# KiCad board kb.kicad_pcb (continued)
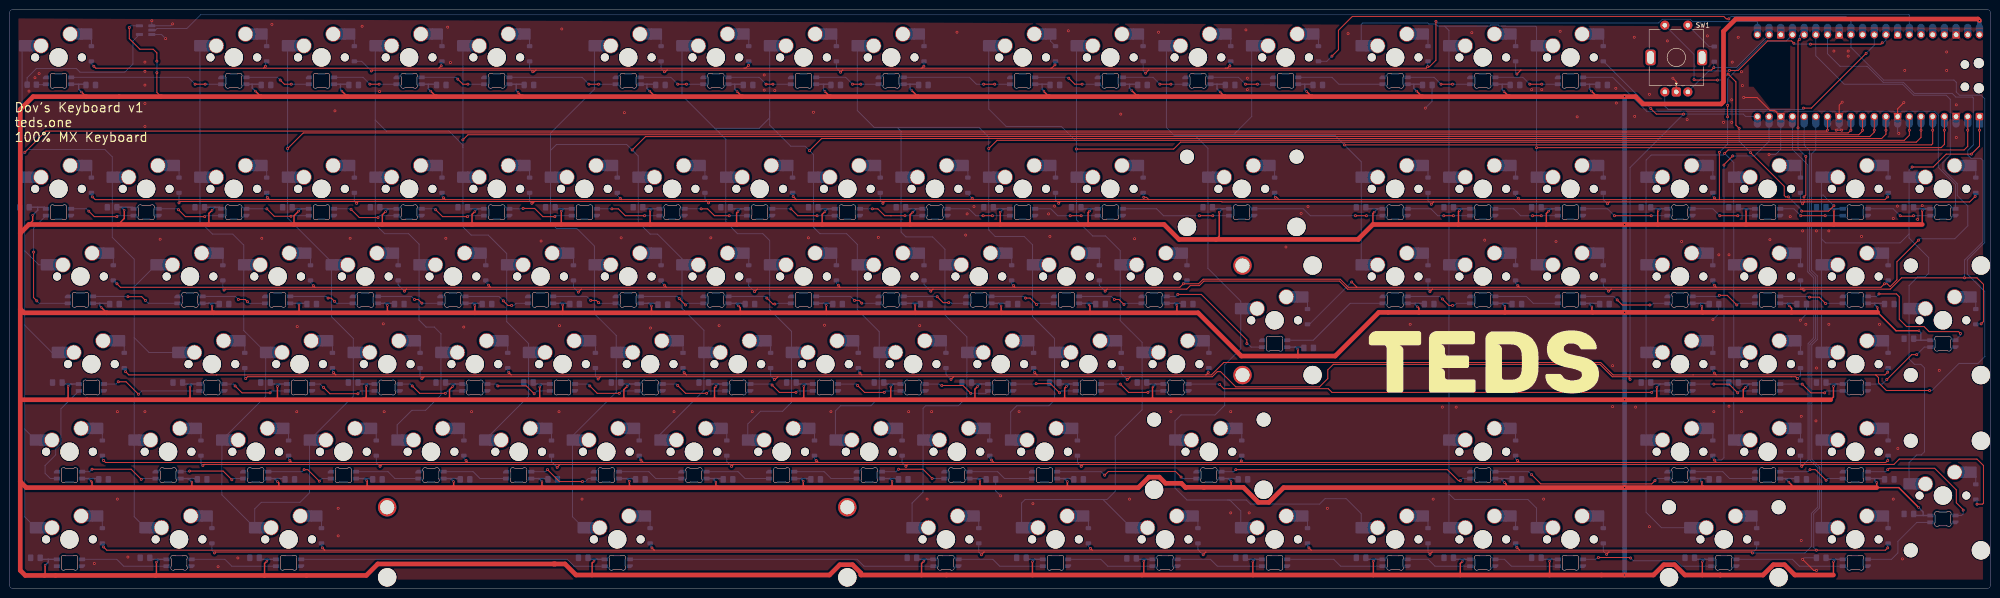
[diagram p0: board, top side]
## Routing (per net, layer and track width the routed paths; a pad name or vN(x,y) marks a point on that pad's centre or on a via; arc(x,y) is an arc through that point) (continued)
GND: length 73.1
  Top w0.2: v1(398.4,105.8) 397.75,105.15 A1.13 ; v1(411.8,105.7) 410.45,104.35 A1.8 ; v1(392.8,4) 392.2,4 v1(389.8,6.4) ; v1(397.1,99.71) v1(398.3,99.71) ; v1(361.6,111) 362.35,110.25 SW1.C ; v1(377,106.8) 379.9,106.8 382.7,104 383.71,104 A1.18
  Bottom w0.2: v1(215.5,20.2) 214.42,21.28 C85.1 ; v1(34,119.6) 33.1,120.5 U1.3 ; C14.1 309.27,105.97 v1(307.8,104.5) ; v1(397.1,99.71) 397.75,100.36 A1.13 397.75,100.25 v1(398.3,99.71) ; C55.1 371.58,59.78 v1(370.3,58.5) ; C105.1 390.14,6.74 v1(389.8,6.4) ; C56.1 390.63,59.73 v1(389.3,58.4) ; A1.18 385.05,95.55 383.9,94.4 v1(382.5,94.4) ; v1(410.7,99) 410.45,99.25 A1.8 ; v1(31,123.5) U1.1 35.1,122.4 v1(35.5,122.8)
  vias: v1(4.3,108.2) v1(5.6,111.1) v1(6.5,112) v1(18.5,5.5) v1(23.5,38.5) v1(23.5,19.5) v1(25.8,6.9) v1(29.5,114.5) v1(29.5,112.5) v1(29.5,109.5) v1(29.5,105.5) v1(29.5,100.5) v1(29.5,38.5) v1(32.8,76) v1(45.4,4.8) v1(49.7,6.7) v1(54.9,76.2) v1(57.1,122.7) v1(62.5,38.5) v1(62.6,57) v1(70.8,103.9) v1(71.5,17.5) v1(71.5,11.5) v1(74.1,76.2) v1(76.7,122.3) v1(80.5,108.1) v1(81.3,57.6) v1(81.5,38.5) v1(94.9,76.2) v1(95.3,122.1) v1(95.9,114.4) v1(98.8,56.9) v1(100.5,38.5) v1(115.6,75.6) v1(119.5,38.5) v1(119.6,57.2) v1(120.1,121.7) v1(124.5,19.5) v1(133,76.3) v1(133.7,103.5) v1(139.4,56.7) v1(144.5,38.5) v1(152.5,76.3) v1(154.3,57.2) v1(161.5,38.5) v1(164.1,111.7) v1(164.1,108.4) v1(166.4,108.3) v1(173.7,76.3) v1(174.8,103.6) v1(177.2,57.3) v1(178.6,38.5) v1(188.9,76.4) v1(195.5,38.5) v1(197.9,57.2) v1(199.5,19.5) v1(200.5,38.5) v1(206,121) v1(207.9,76.9) v1(208.2,81.5) v1(209.7,83.1) v1(219.5,38.5) v1(222.5,18.5) v1(225.9,81.5) v1(226.2,76.6) v1(227.2,83.2) v1(230.2,121.3) v1(241.6,103.2) v1(243.5,19.5) v1(244.6,76.1) v1(249.8,121) v1(252.5,38.5) v1(265.5,38.5) v1(265.5,16.5) v1(268.8,121.5) v1(269.1,111) v1(269.1,108.5) v1(269.5,16.5) v1(277.5,74.3) v1(280.8,81.6) v1(282.3,83.1) v1(286.5,17.5) v1(291,120.7) v1(304.5,57.5) v1(309.5,19.5) v1(311.5,39.5) v1(314.5,39.5) v1(317.9,120.9) v1(320.7,75.8) v1(330.9,108.5) v1(333.1,108.5) v1(333.5,19.5) v1(336.2,75.5) v1(337.1,121.2) v1(340.8,102.6) v1(348.5,48.5) v1(348.5,39.6) v1(349.2,108.8) v1(349.3,105.6) v1(353.2,119.9) v1(353.3,102.7) v1(353.5,39.5) v1(356.5,107.5) v1(356.5,13.5) v1(360.4,119.1) v1(363.5,75.5) v1(364.7,102) v1(369.1,120.2) v1(370.5,38.5) v1(371.6,72.6) v1(372.6,101.4) v1(373.8,72.6) v1(373.8,39.7) v1(374.4,106.3) v1(374.4,101.4) v1(374.5,114.5) v1(375.8,119.9) v1(376.5,112.4) v1(376.5,38.5) v1(376.7,109.4) v1(382.7,75.9) v1(387.1,80.9) v1(389.5,37.5) v1(389.5,10.5) v1(389.8,77.8) v1(390.5,57.5) v1(392.7,36.5) v1(392.8,77.8) v1(392.8,48) v1(395.5,77.8) v1(395.5,57.5) v1(396.6,116.9) v1(399.7,116.9) v1(399.7,115.8) v1(402.6,76.6) v1(406.5,57.5) v1(409.5,80.5) v1(409.5,19.5) v1(410.4,83.2) v1(410.5,30.5) v1(411.5,6.5) v1(412,112.7) v1(414.8,80.3) v1(415.8,83.3) v1(419.5,47.5) v1(421.1,116.7) v1(421.1,112.7) v1(423.2,105.2) v1(423.2,98.1)
COL0: length 647.9
  Top w0.2: A1.14 395.21,99.72 v1(395.2,99.71) 395,99.51 8.01,99.51 v1(3.4,94.9)
  Bottom w0.2: 27.17,64.8 27.17,65.67 MX39.1 ; 27.17,64.8 27.17,71.63 22.41,76.39 MX18.1 22.41,93.89 20.8,95.5 4,95.5 v1(3.4,94.9) 2.8,94.3 2.8,93.3 ; 27.17,64.8 27.17,54.6 ; MX59.1 9.28,51.38 3.36,57.3 ; 3.36,73.5 6.43,70.43 MX38.1 ; 3.36,73.5 MX17.1 2.8,90.04 2.8,93.3 ; 3.36,73.5 3.36,57.3 ; 27.17,54.6 MX76.1 27.17,15.67 MX94.1 ; 27.17,54.6 30.39,51.38 MX60.1 ; A1.14 395.21,99.72 v1(395.2,99.71) ; 2.8,93.3 2.8,117.5 MX1.1 ; 3.36,34.72 3.36,15.67 MX93.1 ; 3.36,34.72 MX75.1 ; 3.36,34.72 3.36,57.3
COL1: length 595.7
  Top w0.2: A1.12 v1(400.29,99.69) 399.71,99.11 63.91,99.11 v1(60.51,95.7)
  Bottom w0.2: MX95.1 57.78,13.28 ; MX95.1 46.22,20.43 MX77.1 55.75,41.86 MX61.1 50.98,56.15 MX40.1 50.98,74.72 48.6,77.1 44.2,77.1 41.46,79.84 MX19.1 MX2.1 ; MX95.1 53.37,17.37 54.8,18.8 63.2,18.8 65.27,20.87 MX78.1 74.8,41.86 MX62.1 74.8,54.4 70.03,59.17 MX41.1 70.03,71.07 60.51,80.59 MX20.1 v1(60.51,95.7) MX3.1 ; v1(400.29,99.69) A1.12
COL2: length 531.4
  Top w0.2: A1.11 v1(402.83,99.7) 402.83,99.54 402,98.7 99.71,98.7 v1(98.61,97.6)
  Bottom w0.2: MX4.1 79.56,101.9 ; 79.56,101.9 MX21.1 79.56,79.24 81.6,77.2 86.8,77.2 89.08,74.92 MX42.1 89.08,58.42 90.6,56.9 92.4,56.9 93.85,55.45 MX63.1 93.85,42.15 90.5,38.8 87.5,38.8 84.32,35.62 MX79.1 ; 79.56,101.9 81.96,99.5 95.6,99.5 98.61,96.49 98.61,95.9 ; v1(402.83,99.7) A1.11 ; MX80.1 112.9,41.86 MX64.1 112.9,53.3 108.13,58.07 MX43.1 108.13,72.87 104.1,76.9 100.4,76.9 98.61,78.69 MX22.1 98.61,95.9 ; 98.61,95.9 v1(98.61,97.6) MX5.1
COL3: length 492.4
  Top w0.2: A1.10 v1(405.37,99.7) 405.37,99.27 404.4,98.3 138.3,98.3 v1(135.4,95.4)
  Bottom w0.2: 117.66,95.3 118.96,96.6 134.2,96.6 v1(135.4,95.4) 136.71,94.09 MX24.1 136.71,79.71 139.32,77.1 140.9,77.1 146.23,71.77 MX45.1 146.23,60.97 151,56.2 MX66.1 151,43.1 141.47,33.57 MX82.1 ; 117.66,95.3 117.66,99.06 127.18,108.58 MX6.1 ; 117.66,95.3 MX23.1 117.66,79.64 119,78.3 123.4,78.3 127.18,74.52 MX44.1 127.18,59.82 131.95,55.05 MX65.1 131.95,42.75 122.42,33.22 MX81.1 122.42,15.67 MX96.1 ; v1(405.37,99.7) A1.10
COL4: length 469.9
  Top w0.2: v1(173.95,95.25) 176.6,97.9 407,97.9 407.91,98.81 v1(407.91,99.7) A1.9
  Bottom w0.2: 165.28,103.8 165.28,102.38 163,100.1 153.4,100.1 ; 165.28,103.8 MX8.1 ; 165.28,103.8 165.28,100.82 169.9,96.2 173,96.2 v1(173.95,95.25) 174.81,94.39 MX26.1 174.81,78.59 176.2,77.2 182,77.2 184.33,74.87 MX47.1 184.33,60.67 189.1,55.9 MX68.1 189.1,41.6 187.3,39.8 180.7,39.8 179.57,38.67 MX84.1 ; 153.4,100.1 146.23,107.27 MX7.1 ; 153.4,100.1 155.76,97.74 MX25.1 155.76,79.74 158.3,77.2 163.8,77.2 165.28,75.72 MX46.1 165.28,60.72 170.05,55.95 MX67.1 170.05,40.55 168.1,38.6 163.3,38.6 160.52,35.82 MX83.1 ; v1(407.91,99.7) A1.9
COL5: length 441.9
  Top w0.2: v1(212.91,95.7) 214.71,97.5 411.9,97.5 412.99,98.59 v1(412.99,99.7) A1.7
  Bottom w0.2: 193,100.3 188,100.3 184.33,103.97 MX9.1 ; 193,100.3 210.8,100.3 212.91,98.19 v1(212.91,95.7) MX28.1 212.91,77.99 214.3,76.6 220.6,76.6 222.43,74.77 MX49.1 222.43,59.17 227.2,54.4 MX70.1 227.2,41 226,39.8 219,39.8 217.67,38.47 MX86.1 ; 193,100.3 193.86,99.44 MX27.1 193.86,77.54 194.9,76.5 200.7,76.5 203.38,73.82 MX48.1 203.38,59.52 208.15,54.75 MX69.1 208.15,41.65 206.3,39.8 199.2,39.8 198.62,39.22 MX85.1 198.62,21.02 196.24,18.64 MX97.1 ; v1(412.99,99.7) A1.7
COL6: length 369.6
  Top w0.2: v1(231.96,95.6) 253.1,95.6 254.6,97.1 414.5,97.1 415.53,98.13 v1(415.53,99.7) A1.6
  Bottom w0.2: 237.5,19.4 238.6,19.4 240.4,21.2 240.4,33.1 246.25,38.95 MX71.1 246.25,53.55 241.48,58.32 MX50.1 241.48,73.52 238.3,76.7 235.5,76.7 231.96,80.24 MX29.1 v1(231.96,95.6) 231.96,97.24 ; 237.5,19.4 220.8,19.4 220.05,18.65 MX98.1 ; 237.5,19.4 237.75,19.4 MX99.1 ; 231.96,97.24 MX11.1 ; 231.96,97.24 228.7,100.5 216.7,100.5 212.91,104.29 MX10.1 ; v1(415.53,99.7) A1.6
COL7: length 389.3
  Top w0.2: A1.5 v1(418.07,99.7) 418.07,96.77 417.8,96.5 v1(290.2,96.5)
  Bottom w0.2: MX13.1 270.06,102.66 265.9,98.5 265.7,98.5 ; 257.2,98.5 253.3,98.5 251.52,100.28 251.52,117.55 MX12.1 ; 257.2,98.5 257.8,98.5 260.53,95.77 MX30.1 260.53,69.67 267.68,62.52 MX51.1 267.68,52.18 264.2,48.7 264.2,39.9 262.1,37.8 254.7,37.8 253.39,36.49 MX87.1 253.39,21.91 256,19.3 264.7,19.3 ; 257.2,98.5 265.7,98.5 ; v1(418.07,99.7) A1.5 ; MX52.1 MX31.1 293.87,92.83 v1(290.2,96.5) 288.2,98.5 265.7,98.5 ; MX101.1 293.87,16.33 290.6,19.6 286,19.6 284.8,18.4 269.8,18.4 268.9,19.3 264.7,19.3 ; 264.7,19.3 265.3,19.3 267.68,16.92 MX100.1
COL8: length 326.2
  Top w0.2: A1.4 v1(420.61,99.7) 420.61,96.61 419.9,95.9 v1(331.97,95.9)
  Bottom w0.2: MX14.1 293.87,122.67 294.22,123.02 308.31,123.02 308.58,122.75 310.1,122.75 310.55,122.3 312,122.3 ; 312,122.3 312.92,121.38 MX15.1 MX32.1 MX53.1 MX88.1 312.92,20.5 ; 312,122.3 321.76,122.3 322.01,122.55 323.63,122.55 323.88,122.3 331.8,122.3 331.97,122.13 MX16.1 v1(331.97,95.9) MX33.1 MX54.1 ; 312.92,20.5 MX102.1 ; 312.92,20.5 313.1,20.5 314.2,19.4 330.1,19.4 331.97,17.53 MX103.1 ; v1(420.61,99.7) A1.4
COL9: length 230.4
  Top w0.2: A1.2 v1(425.69,99.7) 425.69,96.19 424.9,95.4 373.6,95.4 v1(372.85,94.65)
  Bottom w0.2: MX90.1 MX73.1 MX56.1 MX35.1 374.83,92.67 v1(372.85,94.65) 372.5,94.3 356.9,94.3 355.78,93.18 MX34.1 MX55.1 MX72.1 MX89.1 355.78,16.62 359.12,13.28 MX104.1 ; v1(425.69,99.7) A1.2
COL10: length 278.6
  Top w0.2: v1(376,100.11) 375.3,100.81 375.3,110.2 v1(373.6,111.9) ; v1(413.6,91.7) 418.2,91.7 421,94.5 v1(426.5,94.5) 428.23,96.23 v1(428.23,99.7) A1.1 ; v1(396.6,83.26) 395.43,82.1 389.6,82.1 v1(389.6,82.1) ; v1(378.5,94.8) 385.8,87.5 385.8,85.5 386.1,85.2 v1(386.7,85.2) ; v1(371.3,110.6) 366.3,110.6 v1(366.2,110.7)
  Bottom w0.2: v1(376,100.11) 376,97.3 v1(378.5,94.8) ; v1(371.3,110.6) 372.3,110.6 v1(373.6,111.9) ; 412.93,77.1 412.93,76.27 417.2,72 417.2,68.6 416.4,67.8 414.8,67.8 412.93,65.93 MX58.1 412.93,49.97 414.1,48.8 415.5,48.8 416.3,48 416.3,29.8 415.6,29.1 414.6,29.1 412.93,27.43 MX92.1 ; 412.93,77.1 412.9,77.1 411,75.2 394.78,75.2 393.88,76.1 ; 412.93,77.1 MX37.1 412.93,91.03 v1(413.6,91.7) ; MX36.1 393.88,85.6 ; 393.88,85.6 394.26,85.6 v1(396.6,83.26) ; 393.88,85.6 393.88,76.1 ; v1(366.2,110.7) 366.2,116.17 SW1.S2 ; A1.1 428.23,96.23 v1(426.5,94.5) ; A1.1 A1.1 ; A1.1 v1(428.23,99.7) ; 393.88,76.1 MX57.1 MX74.1 MX91.1 MX105.1 ; v1(386.7,85.2) 389.6,82.3 v1(389.6,82.1)
EC11A: length 57.8
  Top w0.2: v1(390,104.5) 391.7,104.5 v1(403.6,116.4)
  Bottom w0.2: A1.31 A1.31 405.37,118.17 v1(403.6,116.4) ; SW1.A 359.85,104.95 360.6,104.2 389.7,104.2 v1(390,104.5)
EC11B: length 50.2
  Top w0.2: v1(387.9,118.6) 387.4,119.1 382.2,119.1 375.8,112.7 v1(373.9,112.7) ; v1(407.1,118.7) 406.8,118.4 v1(391.5,118.4)
  Bottom w0.2: SW1.B 369.43,112.6 373.8,112.6 v1(373.9,112.7) ; v1(387.9,118.6) 388.1,118.4 v1(391.5,118.4) ; v1(407.1,118.7) 407.3,118.7 407.91,119.31 A1.32 A1.32
RGB: length 386.9
  Bottom w0.2: U1.2 31.78,121.45 32.13,121.8 38.6,121.8 41.62,124.82 412.88,124.82 412.99,124.71 A1.34
ROW00: length 388.8
  Top w0.2: 226.4,113.17 226.57,113.17 v1(227.3,113.9) ; 226.4,113.17 198.2,113.17 ; 226.4,113.17 264.3,113.17 ; v1(160.7,113.8) 160.07,113.17 159.7,113.17 ; 198.2,113.17 159.7,113.17 ; 198.2,113.17 198.37,113.17 v1(198.8,113.6) ; 55.27,113.17 18.83,113.17 v1(18.4,113.6) ; 55.27,113.17 v1(55.7,113.6) ; 55.27,113.17 93.37,113.17 ; 159.7,113.17 93.37,113.17 ; 93.37,113.17 v1(93.9,113.7) ; 264.3,113.17 307.97,113.17 v1(308.3,113.5) 308.7,113.5 310.1,114.9 v1(310.1,123.36) ; 264.3,113.17 264.77,113.17 v1(265.3,113.7)
  Bottom w0.2: v1(227.3,113.9) 227.3,114.55 D10.1 ; A1.21 379.97,123.23 379.9,123.3 365.91,123.3 365.39,123.82 359.31,123.82 358.55,123.06 358.55,123 310.46,123 v1(310.1,123.36) ; D2.1 55.7,114.4 v1(55.7,113.6) ; D14.1 308.3,114.59 v1(308.3,113.5) ; v1(18.4,113.6) 17.86,114.14 D1.1 ; D4.1 93.9,114.5 v1(93.9,113.7) ; D9.1 198.8,114.63 v1(198.8,113.6) ; v1(265.3,113.7) 265.3,114.45 D12.1 ; D7.1 160.7,114.63 v1(160.7,113.8)
ROW01: length 331.7
  Top w0.2: 181.17,112.77 247.67,112.77 ; 181.17,112.77 143,112.77 ; 181.17,112.77 v1(180.7,112.3) ; 247.67,112.77 328.57,112.77 ; 247.67,112.77 v1(247,112.1) ; 328.57,112.77 369.97,112.77 v1(370.5,113.3) ; 328.57,112.77 v1(327.7,111.9) ; v1(78.7,112.57) 78.9,112.77 114.5,112.77 ; 143,112.77 142.63,112.4 v1(142.4,112.4) ; 143,112.77 114.5,112.77 ; 114.5,112.77 114.13,112.4 v1(113.8,112.4)
  Bottom w0.2: v1(113.8,112.4) 113.11,113.09 D5.1 ; D15.1 327.43,112.18 v1(327.7,111.9) ; A1.22 A1.22 375.37,113.3 v1(370.5,113.3) 370.5,114.5 D106.1 ; D3.1 76.61,114.66 v1(78.7,112.57) ; v1(247,112.1) 246.46,112.64 D11.1 ; v1(142.4,112.4) 141.69,113.11 D6.1 ; D8.1 179.79,113.21 v1(180.7,112.3)
ROW10: length 455.8
  Top w0.2: 371,84.6 371.7,84.6 ; 371,84.6 v1(370.6,85) ; 371,84.6 328.3,84.6 ; 371.7,84.6 407.7,84.6 v1(408.3,85.2) ; 371.7,84.6 v1(371.7,94.9) ; 247.7,84.6 247.2,85.1 v1(246.6,85.1) ; 247.7,84.6 276,84.6 ; 247.7,84.6 209.6,84.6 ; 133.1,84.6 171.1,84.6 ; 133.1,84.6 94.8,84.6 ; 133.1,84.6 v1(132.8,84.9) ; 171.1,84.6 209.6,84.6 ; 171.1,84.6 171.1,84.6 v1(170.4,85.3) ; v1(373.5,105.1) v1(373.5,102.6) ; 56.6,84.6 94.8,84.6 ; 56.6,84.6 18.7,84.6 v1(18.1,85.2) ; 56.6,84.6 v1(56.1,85.1) ; 94.8,84.6 v1(94.4,85) ; 209.6,84.6 v1(209.3,84.9) ; v1(328,84.9) 328.3,84.6 ; 328.3,84.6 276,84.6 ; 276,84.6 275.5,85.1 v1(275.2,85.1)
  Bottom w0.2: v1(328,84.9) 327.43,85.48 D32.1 ; v1(94.4,85) 94.06,85.34 D21.1 ; D36.1 408.3,86 v1(408.3,85.2) ; v1(373.5,105.1) 373.5,110.86 381.74,119.1 386.25,119.1 A1.24 A1.24 ; D19.1 55.96,85.24 v1(56.1,85.1) ; v1(371.7,94.9) 373.5,96.7 v1(373.5,102.6) ; D23.1 132.16,85.54 v1(132.8,84.9) ; D34.1 370.29,85.31 v1(370.6,85) ; D29.1 246.46,85.24 v1(246.6,85.1) ; D17.1 17.86,85.44 v1(18.1,85.2) ; D25.1 170.26,85.44 v1(170.4,85.3) ; D30.1 275.04,85.26 v1(275.2,85.1) ; v1(209.3,84.9) 208.36,85.84 D27.1
ROW11: length 460.8
  Top w0.2: 309.6,84.1 347.8,84.1 ; 309.6,84.1 v1(309.1,83.6) ; 309.6,84.1 263.6,84.1 263.5,84.2 228.5,84.2 ; 347.8,84.1 v1(347.4,83.7) ; 347.8,84.1 390.2,84.1 ; 114.2,84.2 113.8,83.8 v1(113.6,83.8) ; 114.2,84.2 152.3,84.2 ; 114.2,84.2 75.9,84.2 ; v1(75.5,83.8) 75.9,84.2 ; 75.9,84.2 37.2,84.2 v1(36.9,83.9) ; v1(389.15,119.45) 388.8,119.11 v1(388.8,100.2) ; 228.5,84.2 v1(228.1,83.8) ; 228.5,84.2 190.3,84.2 ; v1(427.3,85.3) 426.1,84.1 390.2,84.1 ; 152.3,84.2 190.3,84.2 ; 152.3,84.2 v1(152,83.9) ; 390.2,84.1 v1(389.8,83.7) ; v1(390.5,94) 390.5,85.6 v1(390.1,85.2) ; 190.3,84.2 v1(189.9,83.8)
  Bottom w0.2: v1(390.1,85.2) 390.1,84 v1(389.8,83.7) 389.34,84.16 D35.1 ; v1(36.9,83.9) 36.91,83.91 D18.1 ; D20.1 75.01,84.29 v1(75.5,83.8) ; v1(152,83.9) 151.21,84.69 D24.1 ; v1(309.1,83.6) 308.38,84.33 D31.1 ; D22.1 113.11,84.29 v1(113.6,83.8) ; v1(347.4,83.7) 346.48,84.63 D33.1 ; v1(390.5,94) 388.8,95.7 v1(388.8,100.2) ; D28.1 227.41,84.49 v1(228.1,83.8) ; D26.1 189.31,84.39 v1(189.9,83.8) ; v1(427.3,85.3) 427.44,85.44 D37.1 ; v1(389.15,119.45) A1.25 A1.25 389.15,120.25 v1(389.15,119.45)
ROW20: length 511.9
  Top w0.2: v1(218.3,65.9) 218.3,65.85 218.6,65.55 ; 66.45,65.55 104.65,65.55 ; 66.45,65.55 24.18,65.55 v1(23.42,66.31) ; 66.45,65.55 v1(66.1,65.9) ; 104.65,65.55 v1(104.2,66) ; 104.65,65.55 142.85,65.55 ; 328.25,65.55 371.05,65.55 ; 328.25,65.55 v1(327.9,65.9) ; 328.25,65.55 292.9,65.55 ; 371.05,65.55 v1(370.6,66) ; 371.05,65.55 406.84,65.55 v1(407.59,66.31) 408.19,66.31 408.82,65.68 410.3,67.17 410.3,71.1 v1(415,75.8) ; v1(180.2,66) 180.2,65.95 180.6,65.55 ; 142.85,65.55 180.6,65.55 ; 142.85,65.55 v1(142.4,66) ; 180.6,65.55 218.6,65.55 ; v1(291.8,66.7) 292.9,65.6 292.9,65.55 ; 218.6,65.55 254.44,65.55 v1(255.19,66.31) 258.51,66.31 259.5,67.3 289.3,67.3 291.05,65.55 292.9,65.55
  Bottom w0.2: v1(142.4,66) 141.69,66.71 D44.1 ; v1(218.3,65.9) 217.89,66.31 D48.1 ; D57.1 407.66,66.31 v1(407.59,66.31) ; v1(23.42,66.31) 22.69,67.04 D38.1 ; D51.1 282.61,57.51 v1(291.8,66.7) ; D40.1 65.49,66.51 v1(66.1,65.9) ; D53.1 327.43,66.38 v1(327.9,65.9) ; v1(415,75.8) 415.3,76.1 422.9,76.1 425.7,78.9 425.7,83.2 423.42,85.48 423.42,88.05 420.3,91.17 420.3,92.7 421.9,94.3 421.9,106.4 421,107.3 413.93,107.3 411.53,109.7 398.84,109.7 392.67,115.87 A1.26 ; v1(255.19,66.31) 255.26,66.31 D50.1 ; D42.1 103.59,66.61 v1(104.2,66) ; D55.1 370.29,66.31 v1(370.6,66) ; D46.1 179.79,66.41 v1(180.2,66)
ROW21: length 510
  Top w0.2: v1(46.7,64.95) 46.9,65.15 86.35,65.15 ; 200.8,65.15 238.65,65.15 ; 200.8,65.15 200.35,64.7 v1(200.3,64.7) ; 200.8,65.15 162.6,65.15 ; 238.65,65.15 v1(238.2,64.7) ; 238.65,65.15 255.94,65.15 256.7,65.91 258.67,65.91 259.67,66.9 289.13,66.9 290.89,65.15 309.35,65.15 ; 86.35,65.15 124.35,65.15 ; 86.35,65.15 v1(85.9,64.7) ; 124.35,65.15 162.6,65.15 ; 124.35,65.15 v1(123.7,64.5) ; v1(162,64.6) 162.05,64.6 162.6,65.15 ; 389.3,65.15 408.85,65.15 411.3,67.6 v1(425,67.6) 427.7,67.6 429.1,66.2 429.1,58.1 v1(428.6,57.6) ; 389.3,65.15 389.9,65.15 v1(390.1,64.95) ; 389.3,65.15 348.2,65.15 ; 348.2,65.15 309.35,65.15 ; 348.2,65.15 347.75,64.7 v1(347.6,64.7) ; 309.35,65.15 v1(308.8,64.6)
  Bottom w0.2: v1(428.6,57.6) 427.53,57.6 D58.1 ; v1(238.2,64.7) 236.94,65.96 D49.1 ; D39.1 46.44,65.21 v1(46.7,64.95) ; v1(200.3,64.7) 198.84,66.16 D47.1 ; D45.1 160.74,65.86 v1(162,64.6) ; v1(425,67.6) 425,71.47 429,75.47 429,93.1 428.53,93.57 426.43,93.57 425.7,94.3 425.7,95.3 426.9,96.5 426.9,106.7 426.7,106.9 423.1,106.9 422.3,107.7 414.1,107.7 411.7,110.1 407.33,110.1 403.85,113.58 397.95,113.58 395.21,116.32 A1.27 ; D52.1 308.38,65.03 v1(308.8,64.6) ; D41.1 84.54,66.06 v1(85.9,64.7) ; D54.1 346.48,65.83 v1(347.6,64.7) ; D56.1 389.34,65.71 v1(390.1,64.95) ; v1(123.7,64.5) 122.64,65.56 D43.1
ROW30: length 651.8
  Top w0.2: 147.2,46.5 185.3,46.5 ; 147.2,46.5 109.1,46.5 ; 147.2,46.5 v1(146.7,47) ; 185.3,46.5 223.4,46.5 ; 185.3,46.5 v1(184.9,46.9) ; v1(108.6,47) 109.1,46.5 ; 109.1,46.5 71,46.5 ; v1(370.6,46.9) 371,46.5 ; 371,46.5 405.7,46.5 ; 371,46.5 366,46.5 366,46.5 348.6,46.5 345.9,49.2 264,49.2 261.3,46.5 260.1,46.5 ; v1(70.5,47) 71,46.5 ; 71,46.5 45.1,46.5 45.1,46.5 26,46.5 v1(25.3,47.2) ; v1(222.9,47) 223.4,46.5 ; 223.4,46.5 260.1,46.5 ; v1(417.4,43.1) 408,43.1 406.3,44.8 406.3,45.9 405.7,46.5 ; 260.1,46.5 v1(260.6,47) ; 405.7,46.5 407.7,46.5 v1(408.3,47.1) ; v1(373.76,123.9) 373.2,123.9 372.67,124.43 291.93,124.43 288.9,121.4 288.9,117.2 v1(287.5,115.8)
  Bottom w0.2: D71.1 260.6,47.84 v1(260.6,47) ; v1(146.7,47) 146.45,47.25 D65.1 ; v1(408.3,47.1) 408.3,47.9 D74.1 ; v1(70.5,47) 70.25,47.25 D61.1 ; D63.1 108.35,47.25 v1(108.6,47) ; v1(373.76,123.9) 374.26,124.4 399.2,124.4 400.29,123.31 A1.29 A1.29 400.29,117.71 407.4,110.6 422.7,110.6 423.2,110.1 423.2,108 423.9,107.3 428.6,107.3 429.4,106.5 429.4,75.3 425.6,71.5 425.6,68.4 429.4,64.6 429.4,50.5 427.9,49 423.8,49 417.9,43.1 v1(417.4,43.1) ; v1(184.9,46.9) 184.55,47.25 D67.1 ; D72.1 370.29,47.21 v1(370.6,46.9) ; D13.1 286.36,114.66 v1(287.5,115.8) ; v1(222.9,47) 222.65,47.25 D69.1 ; v1(25.3,47.2) 25.01,47.49 D59.1
ROW31: length 469.2
  Top w0.2: 167.1,46.1 166.5,45.5 v1(166.3,45.5) ; 167.1,46.1 205.3,46.1 ; 167.1,46.1 128.5,46.1 ; v1(51.4,45.7) 51.8,46.1 90.2,46.1 ; 352.1,46.1 387.3,46.1 387.3,46.1 388.3,46.1 v1(388.7,45.7) ; 352.1,46.1 348.44,46.1 345.73,48.8 287.8,48.8 286.6,47.6 286.6,45.7 284.8,43.9 266.6,43.9 263.3,47.2 262.57,47.2 261.47,46.1 243.7,46.1 ; 352.1,46.1 352.1,45.7 v1(352.3,45.5) ; v1(243,45.5) 243.1,45.5 243.7,46.1 ; v1(128,45.6) 128.5,46.1 ; 128.5,46.1 90.2,46.1 ; 243.7,46.1 205.3,46.1 ; 205.3,46.1 v1(204.7,45.5) ; 90.2,46.1 89.8,45.7 v1(89.7,45.7) ; v1(356.8,104.4) 358,103.2 v1(363.93,103.2)
  Bottom w0.2: D73.1 389.34,46.34 v1(388.7,45.7) ; v1(51.4,45.7) 51.2,45.9 D60.1 ; D66.1 165.5,46.3 v1(166.3,45.5) ; D62.1 89.3,46.1 v1(89.7,45.7) ; v1(356.8,104.4) 346.54,114.66 D16.1 ; D68.1 203.6,46.6 v1(204.7,45.5) ; v1(352.3,45.5) 352.3,91.57 v1(363.93,103.2) 376.9,103.2 377.44,102.66 A1.20 A1.20 ; v1(128,45.6) 127.4,46.2 D64.1 ; D70.1 241.7,46.8 v1(243,45.5)
ROW40: length 487.8
  Top w0.2: v1(370.6,28) 370.6,27.95 371.1,27.45 ; v1(20.5,27.9) 20.95,27.45 61.45,27.45 ; 371.1,27.45 328.25,27.45 ; 371.1,27.45 407.85,27.45 v1(408.3,27.9) ; v1(327.8,27.9) 328.25,27.45 ; 328.25,27.45 267.1,27.45 ; v1(372.7,92.1) 372.7,92.2 v1(374.6,94.1) ; 99.7,27.45 137.85,27.45 ; 99.7,27.45 99.3,27.85 v1(99.3,27.9) ; 99.7,27.45 61.45,27.45 ; 137.85,27.45 v1(137.3,28) ; 137.85,27.45 175.9,27.45 ; 61.45,27.45 v1(61,27.9) ; 175.9,27.45 175.45,27.9 v1(175.4,27.9) ; 175.9,27.45 214.05,27.45 ; v1(267.8,27.8) 267.45,27.45 267.1,27.45 ; v1(213.5,28) 214.05,27.45 ; 214.05,27.45 267.1,27.45
  Bottom w0.2: D87.1 267.8,28.84 v1(267.8,27.8) ; D77.1 60.73,28.18 v1(61,27.9) ; D79.1 98.83,28.38 v1(99.3,27.9) ; v1(408.3,27.9) 408.3,28.85 D91.1 ; v1(374.6,94.1) 379.3,94.1 382.51,97.31 A1.19 ; D89.1 370.29,28.31 v1(370.6,28) 372.2,28 372.7,28.5 v1(372.7,92.1) ; D81.1 136.93,28.38 v1(137.3,28) ; v1(20.5,27.9) 20.24,28.16 D75.1 ; D85.1 213.13,28.38 v1(213.5,28) ; D83.1 175.03,28.28 v1(175.4,27.9) ; v1(327.8,27.9) 327.43,28.28 D88.1
ROW41: length 500.7
  Top w0.2: v1(427.7,18.4) 428.9,18.4 429.1,18.6 429.1,26.8 427.7,28.2 410.8,28.2 409.65,27.05 390.1,27.05 ; 233.45,27.05 390.1,27.05 ; 233.45,27.05 195.35,27.05 ; 233.45,27.05 v1(233,26.6) ; 390.1,27.05 389.65,26.6 v1(389.6,26.6) ; 81.05,27.05 42.35,27.05 v1(42.1,26.8) ; 81.05,27.05 119.75,27.05 ; 81.05,27.05 v1(80.6,26.6) ; v1(194.9,26.6) 195.35,27.05 ; 195.35,27.05 157.45,27.05 ; 119.75,27.05 157.45,27.05 ; 119.75,27.05 v1(119.1,26.4) ; 157.45,27.05 v1(157,26.6)
  Bottom w0.2: v1(80.6,26.6) 79.78,27.43 D78.1 ; D92.1 427.7,19.15 v1(427.7,18.4) ; D80.1 117.88,27.63 v1(119.1,26.4) ; D82.1 155.98,27.63 v1(157,26.6) ; v1(42.1,26.8) 41.68,27.23 D76.1 ; D86.1 232.18,27.43 v1(233,26.6) ; D84.1 194.08,27.43 v1(194.9,26.6) ; A1.17 387.59,95.53 390.9,92.22 390.9,68.9 392.2,67.6 392.2,54.53 391,53.33 391,28 v1(389.6,26.6) 389.34,26.86 D90.1
ROW50: length 496.6
  Top w0.2: 283,8.4 282.5,8.9 v1(282.5,8.9) ; 283,8.4 328.3,8.4 ; 283,8.4 235.4,8.4 ; v1(408.3,8.9) 407.8,8.4 v1(392.8,8.4) 328.3,8.4 ; 140.2,8.4 140.2,8.4 v1(139.7,8.9) ; 140.2,8.4 235.4,8.4 ; 140.2,8.4 68.6,8.4 ; 328.3,8.4 328.3,8.4 v1(327.7,9) ; 235.4,8.4 235,8.8 v1(235,8.8) ; 68.6,8.4 21.2,8.4 v1(20.5,9.1) ; 68.6,8.4 68.1,8.9 v1(68.1,8.9)
  Bottom w0.2: v1(68.1,8.9) 67.87,9.13 D95.1 ; v1(392.8,8.4) 392.2,9 392.2,16.32 393.48,17.6 393.48,26.5 391.8,28.18 391.8,53 393,54.2 393,68 391.7,69.3 391.7,94.5 392.67,95.47 A1.15 ; v1(327.7,9) 327.43,9.28 D102.1 ; v1(20.5,9.1) 20.24,9.36 D93.1 ; v1(282.5,8.9) 282.18,9.22 D100.1 ; v1(235,8.8) 234.56,9.24 D98.1 ; D96.1 139.31,9.29 v1(139.7,8.9) ; v1(408.3,8.9) 408.3,9.8 D105.1
ROW51: length 462.1
  Top w0.2: v1(259.5,7.4) 260.1,8 ; 260.1,8 211.9,8 ; 260.1,8 309.3,8 ; v1(378.9,7.8) 378.7,8 347.7,8 ; v1(211.3,7.4) 211.9,8 ; 211.9,8 44.8,8 v1(44.6,7.8) ; v1(347.2,7.5) 347.7,8 ; 347.7,8 309.3,8 ; v1(308.8,7.5) 309.3,8